# Altium PCB ControlBoard.PcbDoc (part 2 of 2)
Units mil, origin at the board's own origin, x right, y up, seen from the top; angles counter-clockwise.
Board outline 6000 x 3920 mil, 4 copper layers (Top Layer, Power Plane, Ground Plane, Bottom Layer), stack 30.634 mil thick; 203 components, 135 nets, 815 pads, 270 vias.
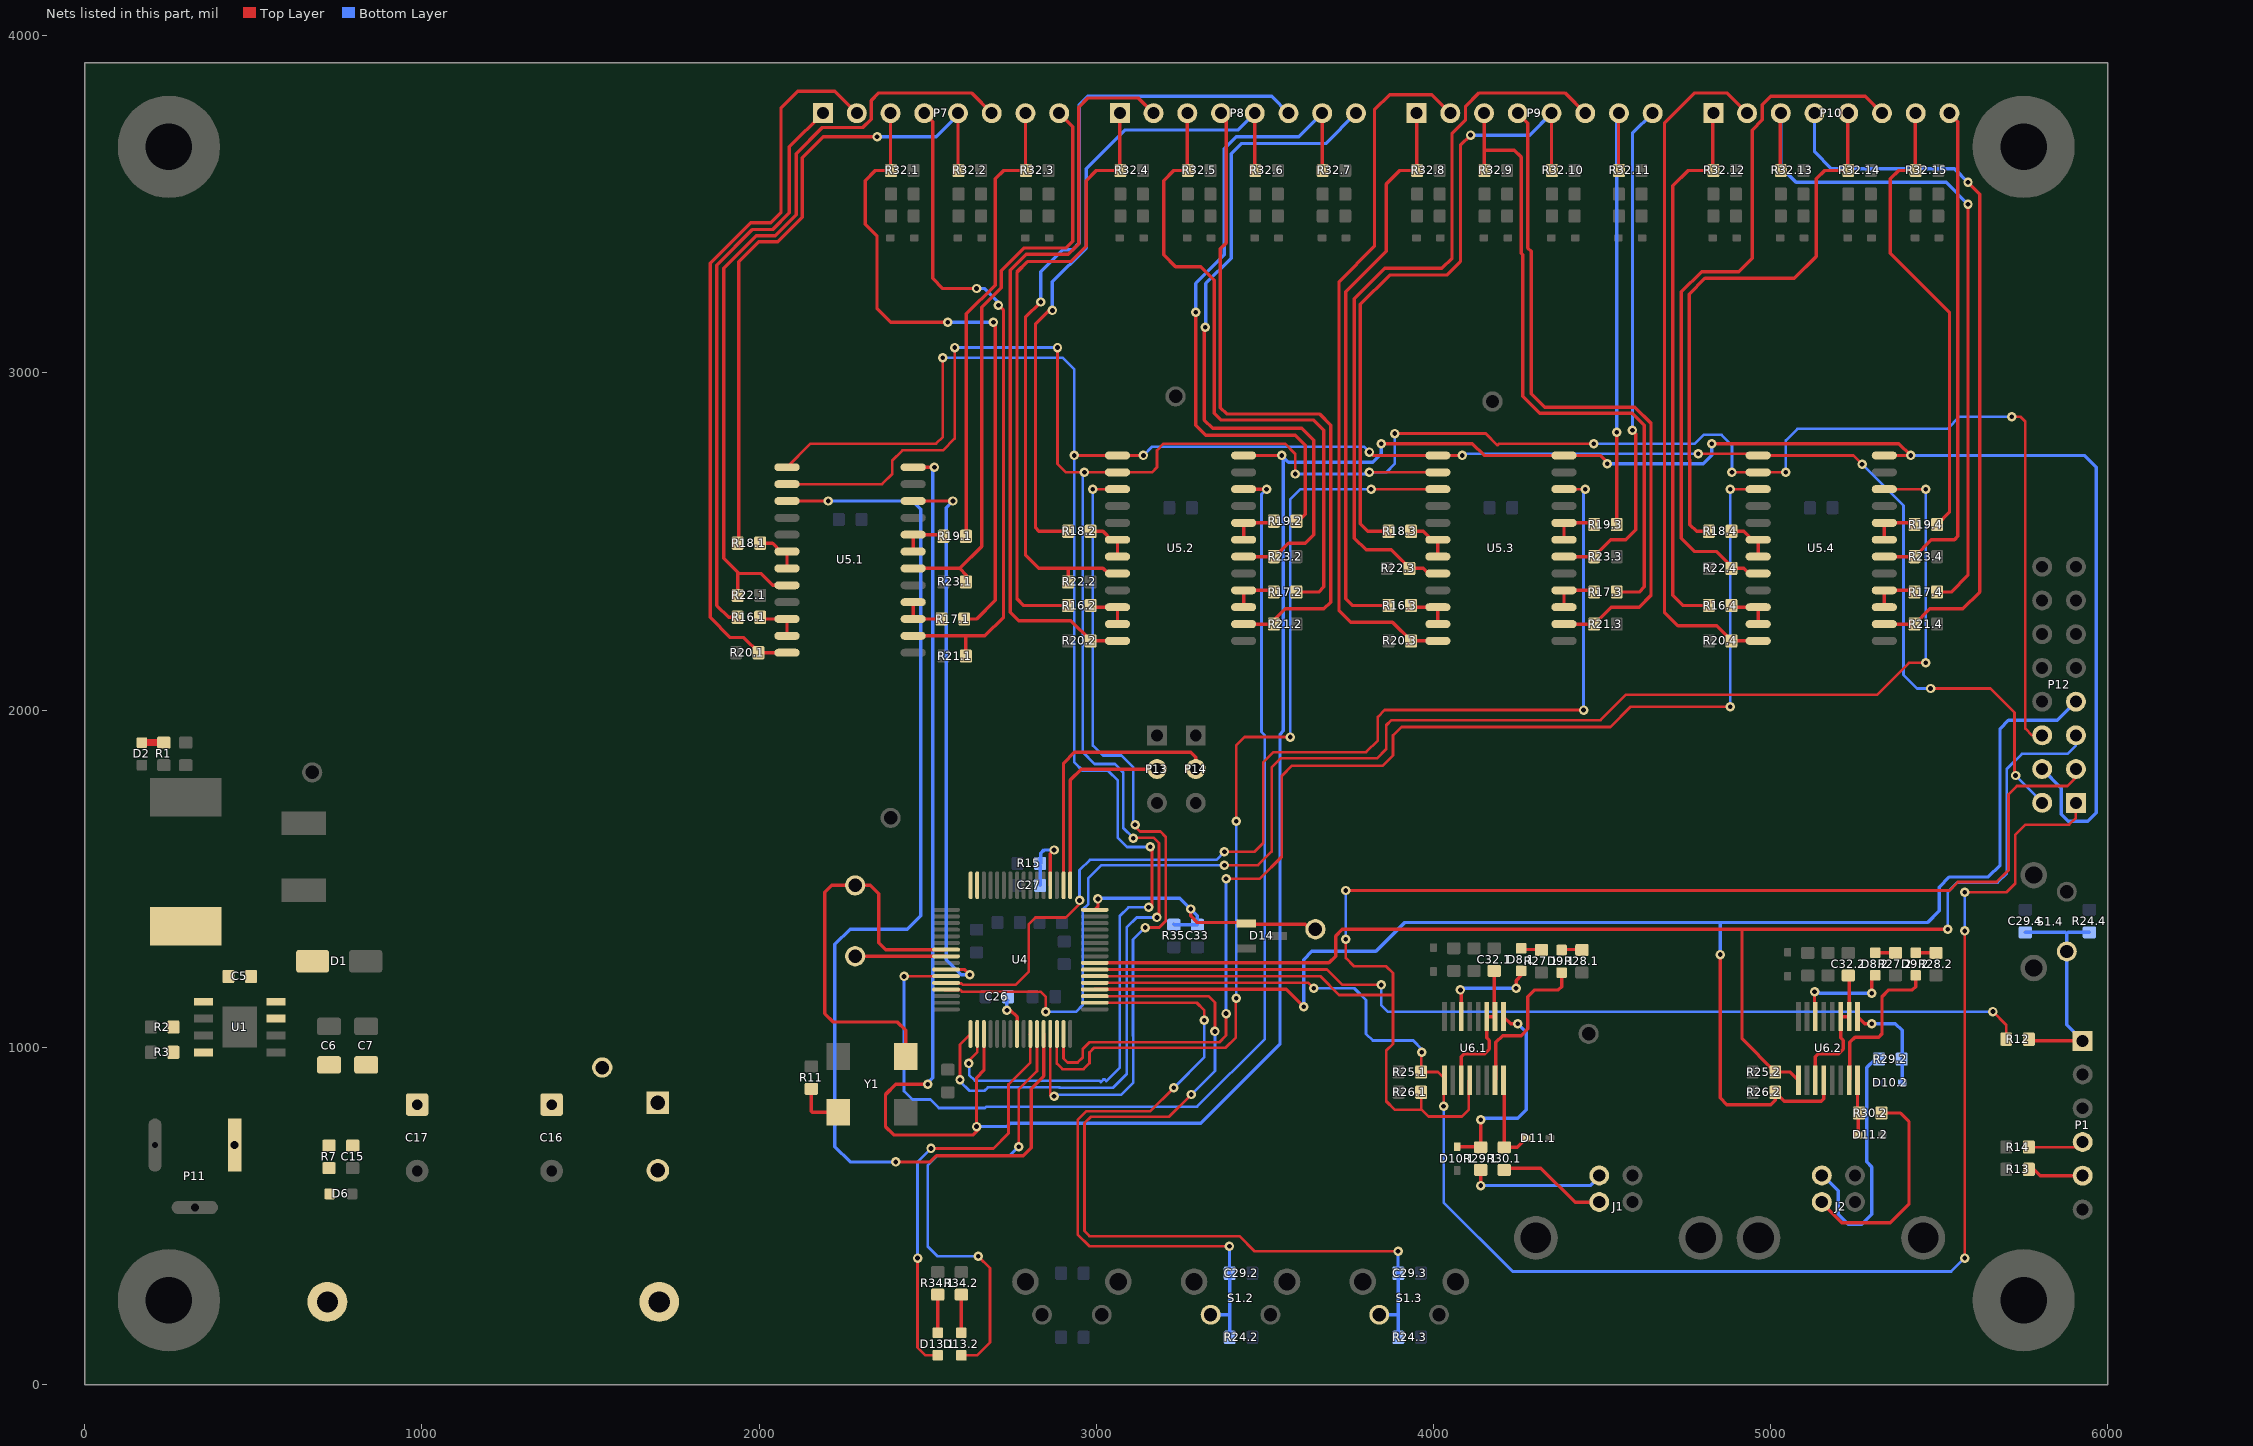
[diagram p4: the nets of this part, all layers, seen from the top]

## Via types
v1: diameter 28, hole 14, Top Layer to Bottom Layer, 270 vias

## Nets (pads, with @x,y where several pads share a name; then routed paths per layer and width w, separated by ;. In a path a pad name is that pad's centre, name@x,y a point inside that pad or via, vN(x,y) a via of type N, cw(c..) or ccw(c..) an arc to the next point about the centre after c; other vN are vias at no path point) (continued)
GP_SW2: C29.2.2 R24.2.1 S1.2.1 U4.2 | length 2053.3
  Top Layer w8: U4.2@2995.47,1132.05 3297.95,1132.05 3320,1110 v1(3320,1080) ; v1(3230,880) 3160,810 2970,810 2945,785 2945,445 2980,410 v1(3395,410)
  Bottom Layer w8: v1(3230,880) 3320,970 v1(3320,1080) ; C29.2.2@3395,330 v1(3395,410)
  Bottom Layer w10: S1.2.1@3339.21,206.93 3392.68,206.93 ; R24.2.1@3395.75,140 3395.75,225.75 C29.2.2@3395.75,330
GP_SW3: C29.3.2 R24.3.1 S1.3.1 U4.3 | length 2601.8
  Top Layer w8: U4.3@2995.47,1151.73 3333.27,1151.73 3352,1133 v1(3352,1047) ; v1(3282,860) 3216,794 2984,794 2965,775 2965,455 2980,440 3425,440 3470,395 v1(3895,395)
  Bottom Layer w8: v1(3282,860) 3352,930 v1(3352,1047) ; C29.3.2@3895,335 v1(3895,395)
  Bottom Layer w10: S1.3.1@3839.21,206.93 3892.68,206.93 ; C29.3.2@3895,330 C29.3.2@3895,335 ; R24.3.1@3895.75,140 3895.75,225.75 C29.3.2@3895.75,330
I2C_CLK: U4.32
I2C_SDA: U4.31
LED_DBG1: D13.1.K U4.58 | length 1246.7
  Top Layer w8: v1(2470,375) 2470,110 2493.46,86.54 D13.1.K@2530,86.54 ; v1(2510,700) 2695,700 2740,745 2740,890 2804.53,954.53 U4.58@2804.53,1039.53
  Top Layer w10: U4.58@2804.16,1039.16 U4.58@2804.53,1039.53
  Bottom Layer w8: v1(2470,375) 2470,660 v1(2510,700)
LED_DBG2: D13.2.K U4.59 | length 1422.6
  Top Layer w8: D13.2.K@2600,86.54 2646.54,86.54 2685,125 2685,345 v1(2650,380) ; v1(2770,705) 2770,875 2824.21,929.21 U4.59@2824.21,1039.53
  Bottom Layer w8: v1(2650,380) 2530,380 2500,410 2500,650 2530,680 2745,680 v1(2770,705)
NetC5_1: C5.1 D1.K L1.1 U1.8
NetC5_2: C5.2 U1.1 | length 3.5
  Top Layer w10: C5.2@426.54,1210 C5.2@430,1210
NetC26_2: C26.2 U4.56 | length 120.3
  Top Layer w10: v1(2735,1110) 2745,1110 2765.16,1089.84 U4.56@2765.16,1039.53
  Bottom Layer w10: v1(2735,1110) 2735,1136.54 C26.2@2738.46,1140
NetC27_2: C27.2 R15.1 U4.20 | length 244
  Top Layer w10: U4.20@2863.58,1480.47 2863.58,1573.58 v1(2875,1585)
  Bottom Layer w10: C27.2@2833.46,1480 R15.1@2833.46,1538.46 ; R15.1@2833.46,1545 R15.1@2835,1546.54 ; R15.1@2835,1545 R15.1@2835,1546.54 ; v1(2875,1585) 2845,1585 2835,1575 R15.1@2835,1546.54
NetC32.1_1: C32.1.1 U6.1.3 U6.1.10 U6.1.11 | length 421.3
  Top Layer w10: U6.1.3@4082.5,902.05 4082.5,972.5 4090,980 4150,980 4164.84,994.84 4164.84,1020.29 4157.5,1027.63 U6.1.11@4157.5,1091.02 U6.1.10@4182.5,1091.02 4180,1093.52 C32.1.1@4180,1225
NetC32.2_1: C32.2.1 U6.2.3 U6.2.10 U6.2.11 | length 406.3
  Top Layer w10: U6.2.3@5132.5,902.05 5132.5,972.5 5140,980 5200,980 5214.84,994.84 5214.84,1020.29 5207.5,1027.63 U6.2.11@5207.5,1091.02 U6.2.10@5232.5,1091.02 5232.5,1207.5 C32.2.1@5230,1210
NetD2_A: D2.A R1.2 | length 63.5
  Top Layer w20: D2.A@171.54,1903.46 R1.2@235,1903.46
NetD5_3: D5.3 F1.2
NetD6_A: D6.A R7.1
NetD8.1_A: D8.1.A R27.1.1 | length 60
  Top Layer w10: D8.1.A@4260,1290 R27.1.1@4320,1290
NetD8.1_K: D8.1.K U6.1.14 | length 293.2
  Top Layer w10: U6.1.14@4080,1093.52 U6.1.14@4081.27,1092.25 ; v1(4080,1170) 4082.5,1167.5 U6.1.14@4082.5,1091.02 ; v1(4245,1175) 4245,1198.07 D8.1.K@4260,1213.07
  Bottom Layer w10: v1(4080,1170) 4085,1175 v1(4245,1175)
NetD8.2_A: D8.2.A R27.2.1 | length 60
  Top Layer w10: D8.2.A@5310,1280 R27.2.1@5370,1280
NetD8.2_K: D8.2.K U6.2.14 | length 306.7
  Top Layer w10: v1(5130,1165) 5130,1093.52 U6.2.14@5131.27,1092.25 ; v1(5300,1160) 5300,1203.07 D8.2.K@5310,1213.07
  Bottom Layer w10: v1(5130,1165) 5135,1170 5145,1160 v1(5300,1160)
NetD9.1_A: D9.1.A R28.1.1 | length 60
  Top Layer w10: D9.1.A@4380,1290 R28.1.1@4440,1290
NetD9.1_K: D9.1.K U6.1.7 | length 466.1
  Top Layer w10: U6.1.7@4182.5,902.05 4184.84,904.39 4184.84,1014.84 4204.72,1034.72 4259.72,1034.72 4280,1055 4280,1150 4300,1170 4370,1170 4380,1180 D9.1.K@4380,1213.07
NetD9.2_A: D9.2.A R28.2.1 | length 60
  Top Layer w10: D9.2.A@5430,1280 R28.2.1@5490,1280
NetD9.2_K: D9.2.K U6.2.7 | length 474.8
  Top Layer w10: U6.2.7@5232.5,902.05 5234.84,904.39 5234.84,1014.84 5250,1030 5320,1030 5330,1040 5330,1150 5350,1170 5420,1170 5430,1180 D9.2.K@5430,1213.07
NetD10.1_K: D10.1.K R29.1.1 U6.1.9 | length 611
  Top Layer w10: D10.1.K@4070,705.43 R29.1.1@4135.43,705.43 ; R29.1.1@4140,703.46 v1(4140,785) ; U6.1.9@4207.5,1091.02 4228.52,1070 v1(4250,1070)
  Bottom Layer w10: v1(4140,785) 4145,790 4250,790 4275,815 4275,1045 v1(4250,1070)
NetD10.2_K: D10.2.K R29.2.1 U6.2.9 | length 304.5
  Top Layer w10: U6.2.9@5257.5,1091.02 5278.52,1070 v1(5300,1070)
  Bottom Layer w10: v1(5300,1070) 5370,1070 5390,1050 D10.2.K@5390,895
NetD11.1_K: D11.1.K R30.1.1 U6.1.8 | length 272.5
  Top Layer w10: U6.1.8@4210,900 R30.1.1@4210,703.46 4248.46,703.46 D11.1.K@4275,730
NetD11.2_K: D11.2.K R30.2.1 U6.2.8 | length 167
  Top Layer w10: U6.2.8@5257.5,902.05 5257.5,802.5 R30.2.1@5259.57,800.43 ; D11.2.K@5259.57,740 R30.2.1@5259.57,800.43 ; R30.2.1@5259.57,804.57 R30.2.1@5259.57,800.43
NetD13.1_A: D13.1.A R34.1.2 | length 116.5
  Top Layer w10: D13.1.A@2530,153.46 R34.1.2@2530,266.54 R34.1.2@2530,270
NetD13.2_A: D13.2.A R34.2.2 | length 116.5
  Top Layer w10: D13.2.A@2600,150 D13.2.A@2600,153.46 R34.2.2@2600,266.54
NetR2_2: R2.2 R3.1 U1.4 | length 3.5
  Top Layer w15: R3.1@263.46,981.54 R3.1@263.46,985
NetR11_2: R11.2 Y1.1 | length 147.6
  Top Layer w10: R11.2@2155,876.54 2155,810 2157.68,807.32 Y1.1@2235,807.32
NetR12_1: R12.1 U4.7 | length 2849
  Top Layer w8: U4.7@2995.47,1230.47 3684.53,1230.47 3730,1185 v1(3845,1185) ; v1(5659,1106) 5698.54,1066.46 R12.1@5698.54,1024
  Bottom Layer w8: v1(3845,1185) 3845,1125 3865,1105 v1@5659,1105
NetR16.1_2: R16.1.2 U5.1.22 U5.1.23 | length 131.6
  Top Layer w10: R16.1.2@2003.46,2275 2008.46,2270 U5.1.22@2082.99,2270 U5.1.23@2082.99,2220
NetR16.2_2: R16.2.2 U5.2.22 U5.2.23 | length 131.6
  Top Layer w10: R16.2.2@2983.46,2310 2988.46,2305 U5.2.22@3062.99,2305 U5.2.23@3062.99,2255
NetR16.3_2: R16.3.2 U5.3.22 U5.3.23 | length 131.6
  Top Layer w10: R16.3.2@3933.46,2310 3938.46,2305 U5.3.22@4012.99,2305 U5.3.23@4012.99,2255
NetR16.4_2: R16.4.2 U5.4.22 U5.4.23 | length 131.6
  Top Layer w10: R16.4.2@4883.46,2310 4888.46,2305 U5.4.22@4962.99,2305 U5.4.23@4962.99,2255
NetR17.1_2: R17.1.2 U5.1.3 U5.1.4 | length 138
  Top Layer w10: U5.1.4@2457.01,2320 U5.1.3@2457.01,2270 R17.1.2@2541.54,2270 R17.1.2@2545,2270
NetR17.2_2: R17.2.2 U5.2.3 U5.2.4 | length 134.5
  Top Layer w10: U5.2.3@3437.01,2305 U5.2.4@3437.01,2355 R17.2.2@3521.54,2355
NetR17.3_2: R17.3.2 U5.3.3 U5.3.4 | length 134.5
  Top Layer w10: U5.3.3@4387.01,2305 U5.3.4@4387.01,2355 R17.3.2@4471.54,2355
NetR17.4_2: R17.4.2 U5.4.3 U5.4.4 | length 134.5
  Top Layer w10: U5.4.3@5337.01,2305 U5.4.4@5337.01,2355 R17.4.2@5421.54,2355
NetR18.1_2: R18.1.2 U5.1.18 U5.1.19 | length 139.9
  Top Layer w10: R18.1.2@2003.46,2495 2040,2495 2065,2470 U5.1.18@2082.99,2470 U5.1.19@2082.99,2420
NetR18.2_2: R18.2.2 U5.2.18 U5.2.19 | length 139.9
  Top Layer w10: R18.2.2@2983.46,2530 3020,2530 3045,2505 U5.2.18@3062.99,2505 U5.2.19@3062.99,2455
NetR18.3_2: R18.3.2 U5.3.18 U5.3.19 | length 139.9
  Top Layer w10: R18.3.2@3933.46,2530 3970,2530 3995,2505 U5.3.18@4012.99,2505 U5.3.19@4012.99,2455
NetR18.4_2: R18.4.2 U5.4.18 U5.4.19 | length 139.9
  Top Layer w10: R18.4.2@4883.46,2530 4920,2530 4945,2505 U5.4.18@4962.99,2505 U5.4.19@4962.99,2455
NetR19.1_2: R19.1.2 U5.1.7 U5.1.8 | length 141.6
  Top Layer w10: U5.1.7@2457.01,2470 U5.1.8@2457.01,2520 2541.54,2520 R19.1.2@2546.54,2515
NetR19.2_2: R19.2.2 U5.2.7 U5.2.8 | length 141.6
  Top Layer w10: U5.2.7@3437.01,2505 U5.2.8@3437.01,2555 3521.54,2555 R19.2.2@3526.54,2550
NetR19.3_2: R19.3.2 U5.3.7 U5.3.8 | length 141.6
  Top Layer w10: U5.3.7@4387.01,2505 U5.3.8@4387.01,2555 4471.54,2555 R19.3.2@4476.54,2550
NetR19.4_2: R19.4.2 U5.4.7 U5.4.8 | length 141.6
  Top Layer w10: U5.4.7@5337.01,2505 U5.4.8@5337.01,2555 5421.54,2555 R19.4.2@5426.54,2550
NetTP8_1: TP8.1 U4.40 | length 283.4
  Top Layer w10: TP8.1@2285,1270 2509.06,1270 ; 2495.16,1269.84 U4.40@2554.53,1269.84
OSC: TP6.1 U4.39 Y1.3 | length 1227.4
  Top Layer w10: Y1.3@2435,975 2435,1050 2410,1075 2220,1075 2195,1100 2195,1460 2215,1480 TP6.1@2285,1480 2330,1480 2355,1455 2355,1310 2375.47,1289.53 U4.39@2554.53,1289.53
P\O\T\_\R\S\T\0: U4.42 U5.1.10 | length 1651.8
  Top Layer w10: U5.1.10@2457.01,2620 v1(2575,2620) ; U4.42@2554.53,1230.47 2609.53,1230.47 v1(2625,1215)
  Bottom Layer w10: v1(2575,2620) 2555,2600 2555,1260 2600,1215 v1(2625,1215)
P\O\T\_\R\S\T\1: U4.43 U5.2.10 | length 3348.8
  Top Layer w8: v1(2430,1210) 2430.79,1210.79 U4.43@2554.53,1210.79
  Top Layer w10: U5.2.10@3437.01,2655 v1(3505,2655)
  Bottom Layer w8: v1(2430,1210) 2430,870 2455,845 2508.36,845 2533.36,820 2670.23,820 2674.23,824 3299,824 3500,1025 3500,1925 3490,1935 3490,2640 v1(3505,2655)
P\O\T\_\R\S\T\2: U4.44 U5.3.10 | length 3272.8
  Top Layer w8: U4.44@2554.53,1191.1 2556.31,1189.32 2600.32,1189.32 2604.64,1185 2760,1185 2800,1225 2800,1365 2820,1385 2910,1385 2950.54,1425.54 v1(2950.54,1435.54) ; v1(3380,1580) 3470,1580 3495,1605 3495,1845 3525,1875 3800,1875 3835,1910 3835,1980 3855,2000 v1(4445,2000) ; U5.3.10@4387.01,2655 v1(4450,2655)
  Bottom Layer w8: v1(2950.54,1435.54) 2950.54,1525.54 2981,1556 3356,1556 v1(3380,1580) ; v1(4445,2000) 4445,2650 v1(4450,2655)
P\O\T\_\R\S\T\3: U4.45 U5.4.10 | length 4428.3
  Top Layer w8: U4.45@2550,1170 2597.01,1170 2602.01,1165 2835,1165 2850,1150 v1(2850,1105) ; v1(3380,1540) 3480,1540 3520,1580 3520,1830 3547,1857 3832,1857 3860,1885 3860,1955 3875,1970 4495,1970 4570,2045 5315,2045 5410,2140 v1(5460,2140) ; U5.4.10@5337.01,2655 v1(5460,2655)
  Bottom Layer w8: v1(2850,1105) 2940,1105 2960,1125 2960,1408.23 2976.54,1424.77 2976.54,1501.54 3015,1540 v1(3380,1540) ; v1(5460,2140) v1(5460,2655)
P\O\T\_\S\H\D\N\0: U4.60 U5.1.15 | length 3477.2
  Top Layer w10: U5.1.15@2080,2620 U5.1.15@2082.99,2620 v1(2205,2620) ; v1(2405,660) 2508.18,660 2526.18,678 2783,678 2807,702 2807,877 2844.68,914.68 U4.60@2844.68,1040
  Bottom Layer w10: v1(2205,2620) 2455,2620 2480,2595 2480,1390 2440,1350 2270,1350 2225,1305 2225,705 2270,660 v1(2405,660)
P\O\T\_\S\H\D\N\1: U4.61 U5.2.15 | length 2517.8
  Top Layer w8: U4.61@2863.58,1039.53 2863.58,858.58 2867.17,855 2869.33,857.17 2872.83,857.17 v1(2875,855) ; v1(2990,2655) U5.2.15@3062.99,2655 ; v1(3115,1660) 3115,1655 3130,1640 3190,1640 3206,1624 3206,1374.23 3186.77,1355 v1(3145,1355)
  Bottom Layer w8: v1(2875,855) 2870,855 2875,850 2884,859 3074,859 ; v1(2990,2655) 2990,1895 3020,1865 3075,1865 3110,1830 3110,1660 v1(3115,1660) ; 3075,860 3110,895 3110,1033.23 3109,1034.23 3109,1319 v1(3145,1355)
P\O\T\_\S\H\D\N\2: U4.62 U5.3.15 | length 2879.5
  Top Layer w8: U4.62@2883.27,1039.53 2883.27,951.73 2900,935 2962,935 2980,953 2980,985 2994,999 3384,999 3414,1029 3414,1144 v1(3415,1145) ; v1(3415,1670) 3415,1895 3440,1920 v1(3575,1920) ; v1(3815,2655) U5.3.15@4012.99,2655
  Bottom Layer w8: v1(3415,1145) 3415,1660 3410,1665 v1(3415,1670) ; v1(3575,1920) 3575,2625 3605,2655 v1(3815,2655)
P\O\T\_\S\H\D\N\3: U4.63 U5.4.15 | length 3682.3
  Top Layer w8: U4.63@2902.95,1039.53 2902.95,967.05 2915,955 2945,955 2960,970 2960,995 2980,1015 3365,1015 3385,1035 v1(3385,1100) ; v1(3385,1500) 3485,1500 3550,1565 3550,1805 3580,1835 3850,1835 3880,1865 3880,1925 3905,1950 4525,1950 4585,2010 v1(4880,2010) ; v1(4880,2655) U5.4.15@4962.99,2655
  Bottom Layer w8: v1(3385,1100) v1(3385,1500) ; v1(4880,2010) v1(4880,2655)
PGEC: P1.5 R13.2 | length 171.8
  Top Layer w10: R13.2@5780,638 5798,620 ; 5799.83,619.21 P1.5@5925,619.21 ; P1.5@5910,635 P1.5@5925,620
PGED: P1.4 R14.2 | length 168.2
  Top Layer w8: R14.2@5765.46,704 5909,704 P1.4@5911,704
  Top Layer w10: P1.4@5909,704 P1.4@5925,720
PIC_ADC7: P13.2 U4.17 | length 582.9
  Top Layer w10: U4.17@2922.64,1480.47 2922.64,1792.64 2955,1825 P13.2@3180,1825
PIC_ADC8: P14.2 U4.18 | length 809
  Top Layer w10: U4.18@2902.95,1480.47 2902.95,1842.95 2935,1875 3280,1875 3295,1860 P14.2@3295,1825
POTA1: P7.1 R16.1.1 | length 1701.7
  Top Layer w10: R16.1.1@1936.54,2275 1910,2275 1875,2310 1875,3319.54 1980.46,3425 2040.46,3425 2090,3474.54 2090,3670 P7.1@2190,3770
POTA2: P7.3 R17.1.1 R32.1.2 | length 1949.9
  Top Layer w10: P7.3@2390,3770 2390,3600 2345,3600 2315,3570 2315,3440 2350,3405 2350,3190 2390,3150 v1(2560,3150) ; R17.1.1@2613.46,2270 2645,2270 2700,2325 2700,3145 v1(2695,3150)
  Bottom Layer w10: v1(2560,3150) v1(2695,3150)
POTA3: P7.5 R18.1.1 R32.2.2 | length 1951.4
  Top Layer w10: R18.1.1@1936.54,2495 1940,2498.46 1940,3329.54 1999.46,3389 2055.37,3389 2128,3461.63 2128,3637.47 2190.53,3700 v1(2350,3700) ; R32.2.2@2590,3595 P7.5@2590,3770
  Bottom Layer w10: v1(2350,3700) 2525,3700 P7.5@2595,3770
POTA4: P7.7 R19.1.1 R32.3.2 | length 1366.2
  Top Layer w10: R19.1.1@2613.46,2515 2615,2516.54 2615,3175 2700,3260 2700,3575 2725,3600 2790,3600 P7.7@2790,3770
POTA5: P8.1 R16.2.1 R32.4.2 | length 1842.7
  Top Layer w10: R16.2.1@2916.54,2310 2785,2310 2765,2330 2765,3299 2796,3330 2925,3330 2970,3375 2970,3570 3000,3600 3070,3600 P8.1@3070,3770
POTA6: P8.3 R17.2.1 R32.5.2 | length 1947
  Top Layer w10: P8.3@3270,3770 3270,3600 3230,3600 3200,3570 3200,3350 3235,3315 3310,3315 3350,3275 3350,2880 3370,2860 3645,2860 3675,2830 3675,2365 3660,2350 R17.2.1@3593.46,2350
POTA7: P8.5 R18.2.1 R32.6.2 | length 1977
  Top Layer w10: v1(2870,3185) 2860,3185 2820,3145 2820,2540 2830,2530 R18.2.1@2916.54,2530 ; R32.6.2@3470,3595 P8.5@3470,3770
  Bottom Layer w10: v1(2870,3185) 2870,3270 2970,3370 2970,3605 3085,3720 3420,3720 P8.5@3470,3770
POTA8: P8.7 R19.2.1 R32.7.2 | length 1959.5
  Top Layer w10: v1(3295,3180) 3295,2845 3325,2815 3590,2815 3620,2785 3620,2580 3593.46,2553.46 R19.2.1@3593.46,2550 ; R32.7.2@3670,3595 P8.7@3670,3770
  Bottom Layer w10: v1(3295,3180) 3295,3265 3380,3350 3380,3665 3415,3700 3600,3700 P8.7@3670,3770
POTA9: P9.1 R16.3.1 R32.8.2 | length 1691.1
  Top Layer w10: R16.3.1@3866.54,2310 3760,2310 3740,2330 3740,3240 3860,3360 3860,3560 3900,3600 3950,3600 P9.1@3950,3770
POTA10: P9.3 R17.3.1 R32.9.2 | length 1968.3
  Top Layer w10: R32.9.2@4150,3595 4150,3660 ; P9.3@4150,3770 4150,3660 ; R17.3.1@4543.46,2350 4610,2350 4625,2365 4625,2845 4590,2880 4315,2880 4265,2930 4265,3350 4260,3355 4260,3640 4240,3660 4150,3660
POTA11: P9.5 R18.3.1 R32.10.2 | length 1922.6
  Top Layer w10: R18.3.1@3866.54,2530 3805,2530 3783,2552 3783,3203 3870,3290 4040,3290 4080,3330 4080,3675 v1(4110,3705) ; R32.10.2@4350,3595 P9.5@4350,3770
  Bottom Layer w10: v1(4110,3705) 4285,3705 P9.5@4350,3770
POTA12: P9.7 R19.3.1 R32.11.2 | length 1399.8
  Top Layer w10: R19.3.1@4543.46,2550 v1(4543.46,2823.46) ; R32.11.2@4548.46,3595 P9.7@4548.46,3770
  Bottom Layer w10: v1(4543.46,2823.46) 4543.46,3758.46 P9.7@4555,3770
POTA13: P10.1 R16.4.1 R32.12.2 | length 1642.6
  Top Layer w10: R16.4.1@4816.54,2310 4740,2310 4710,2340 4710,3555 4755,3600 R32.12.2@4828.46,3600 ; P10.1@4828.46,3770 R32.12.2@4828.46,3600 ; R32.12.2@4830,3600 R32.12.2@4828.46,3600
POTA14: P10.3 R17.4.1 R32.13.2 | length 2147.8
  Top Layer w10: R32.13.2@5028.46,3595 P10.3@5028.46,3770 ; R17.4.1@5493.46,2350 5535,2350 5585,2400 v1(5585,3500)
  Bottom Layer w10: P10.3@5030,3770 5030,3610 5075,3565 5520,3565 v1(5585,3500)
POTA15: P10.5 R18.4.1 R32.14.2 | length 1677.4
  Top Layer w10: R18.4.1@4816.54,2530 4780,2530 4760,2550 4760,2741.82 4758,2743.82 4758,3233 4805,3280 5070,3280 5135,3345 5135,3575 5160,3600 R32.14.2@5228.46,3600 ; P10.5@5228.46,3770 R32.14.2@5228.46,3600 ; R32.14.2@5230,3600 R32.14.2@5228.46,3600
POTA16: P10.7 R19.4.1 R32.15.2 | length 1375
  Top Layer w10: P10.7@5428.46,3770 R32.15.2@5428.46,3600 ; R32.15.2@5430,3600 R32.15.2@5428.46,3600 ; R19.4.1@5498.46,2555 R19.4.1@5493.46,2550 5530,2586.54 5530,3180 5355,3355 5355,3575 5380,3600 R32.15.2@5428.46,3600
POTB1: P7.2 R20.1.1 U5.1.24 | length 2178.3
  Top Layer w10: U5.1.24@2085,2170 U5.1.24@2082.99,2170 2000,2170 1955,2215 1915,2215 1855,2275 1855,3325 1975,3445 2035,3445 2065,3475 2065,3785 2115,3835 2225,3835 P7.2@2290,3770
POTB2: P7.4 R21.1.1 U5.1.2 | length 2009.8
  Top Layer w10: U5.1.2@2457.01,2220 2670,2220 2725,2275 2725,3185 v1(2710,3200) ; P7.4@2490,3770 2515,3745 2515,3280 2545,3250 v1(2645,3250) ; R21.1.1@2613.46,2161.54 2613.46,2215
  Bottom Layer w10: v1(2645,3250) 2670,3250 2710,3210 v1(2710,3200)
POTB3: P7.6 R22.1.1 U5.1.20 | length 2321.7
  Top Layer w10: R22.1.1@1936.54,2340 1936.54,2405 ; U5.1.20@2082.99,2370 2040,2370 2005,2405 1936.54,2405 ; P7.6@2690,3770 2630,3830 2355,3830 2332.53,3807.53 2332.53,3752.38 2307.62,3727.47 2187.47,3727.47 2110,3650 2110,3469.09 2047.91,3407 1992,3407 1895,3310 1895,2450 1936.54,2408.46 1936.54,2405
POTB4: P7.8 R23.1.1 U5.1.6 | length 1759.8
  Top Layer w10: U5.1.6@2457.01,2420 2595,2420 ; R23.1.1@2615,2385 2615,2400 2595,2420 ; P7.8@2890,3770 2930,3730 2930,3390 2910,3370 2785,3370 2718,3303 2718,3252.54 2660,3194.54 2660,2485 2595,2420
POTB5: P8.2 R20.2.1 U5.2.24 | length 2263.2
  Top Layer w10: U5.2.24@3065,2205 U5.2.24@3062.99,2205 R20.2.1@2983.46,2205 2983.46,2206.54 2925,2265 2770,2265 2745,2290 2745,3304.54 2792.46,3352 2917.46,3352 2948,3382.54 2948,3788 2975,3815 3125,3815 P8.2@3170,3770
POTB6: P8.4 R21.2.1 U5.2.2 | length 2049.9
  Top Layer w10: P8.4@3370,3770 3385,3755 3385,3385 3368,3368 3368,2897 3387,2878 3662,2878 3695,2845 3695,2320 3675,2300 3560,2300 3526.54,2266.54 R21.2.1@3526.54,2255 ; U5.2.2@3437.01,2255 R21.2.1@3525,2255
POTB7: P8.6 R22.2.1 U5.2.20 | length 2404.2
  Top Layer w10: v1(2835,3210) 2790,3165 2790,2460 2830,2420 3020,2420 3035,2405 U5.2.20@3062.99,2405 ; R22.2.1@2916.54,2380 2916.54,2418.46
  Bottom Layer w10: v1(2835,3210) 2835,3300 2900,3365 2930,3365 2950,3385 2950,3795 2975,3820 3520,3820 P8.6@3570,3770
POTB8: P8.8 R23.2.1 U5.2.6 | length 2107.6
  Top Layer w10: v1(3323,3135) 3320,3132 3320,2860 3344.77,2835.23 3609.77,2835.23 3645,2800 3645,2520 3620,2495 3570,2495 3530,2455 R23.2.1@3526.54,2455 U5.2.6@3437.01,2455
  Bottom Layer w10: v1(3323,3135) 3325,3137 3325,3265 3400.23,3340.23 3400.23,3650.23 3430,3680 3680,3680 P8.8@3770,3770
POTB9: P9.2 R20.3.1 U5.3.24 | length 2127.3
  Top Layer w10: R20.3.1@3933.46,2200 3938.46,2205 U5.3.24@4012.99,2205 ; R20.3.1@3933.46,2205 3878.46,2260 3755,2260 3720,2295 3720,3270 3825,3375 3825,3780 3870,3825 3995,3825 P9.2@4050,3770
POTB10: P9.4 R21.3.1 U5.3.2 | length 2045.6